# Altium PCB StarKit PCB.PcbDoc (part 2 of 2)
Units mil, origin at the board's own origin, x right, y up, seen from the top; angles counter-clockwise.
Board outline 2755.91 x 2420.08 mil, 4 copper layers (Top Layer, Int1 (GND), Int2 (GND), Bottom Layer), stack 62.449 mil thick; 154 components, 99 nets, 582 pads, 1117 vias.
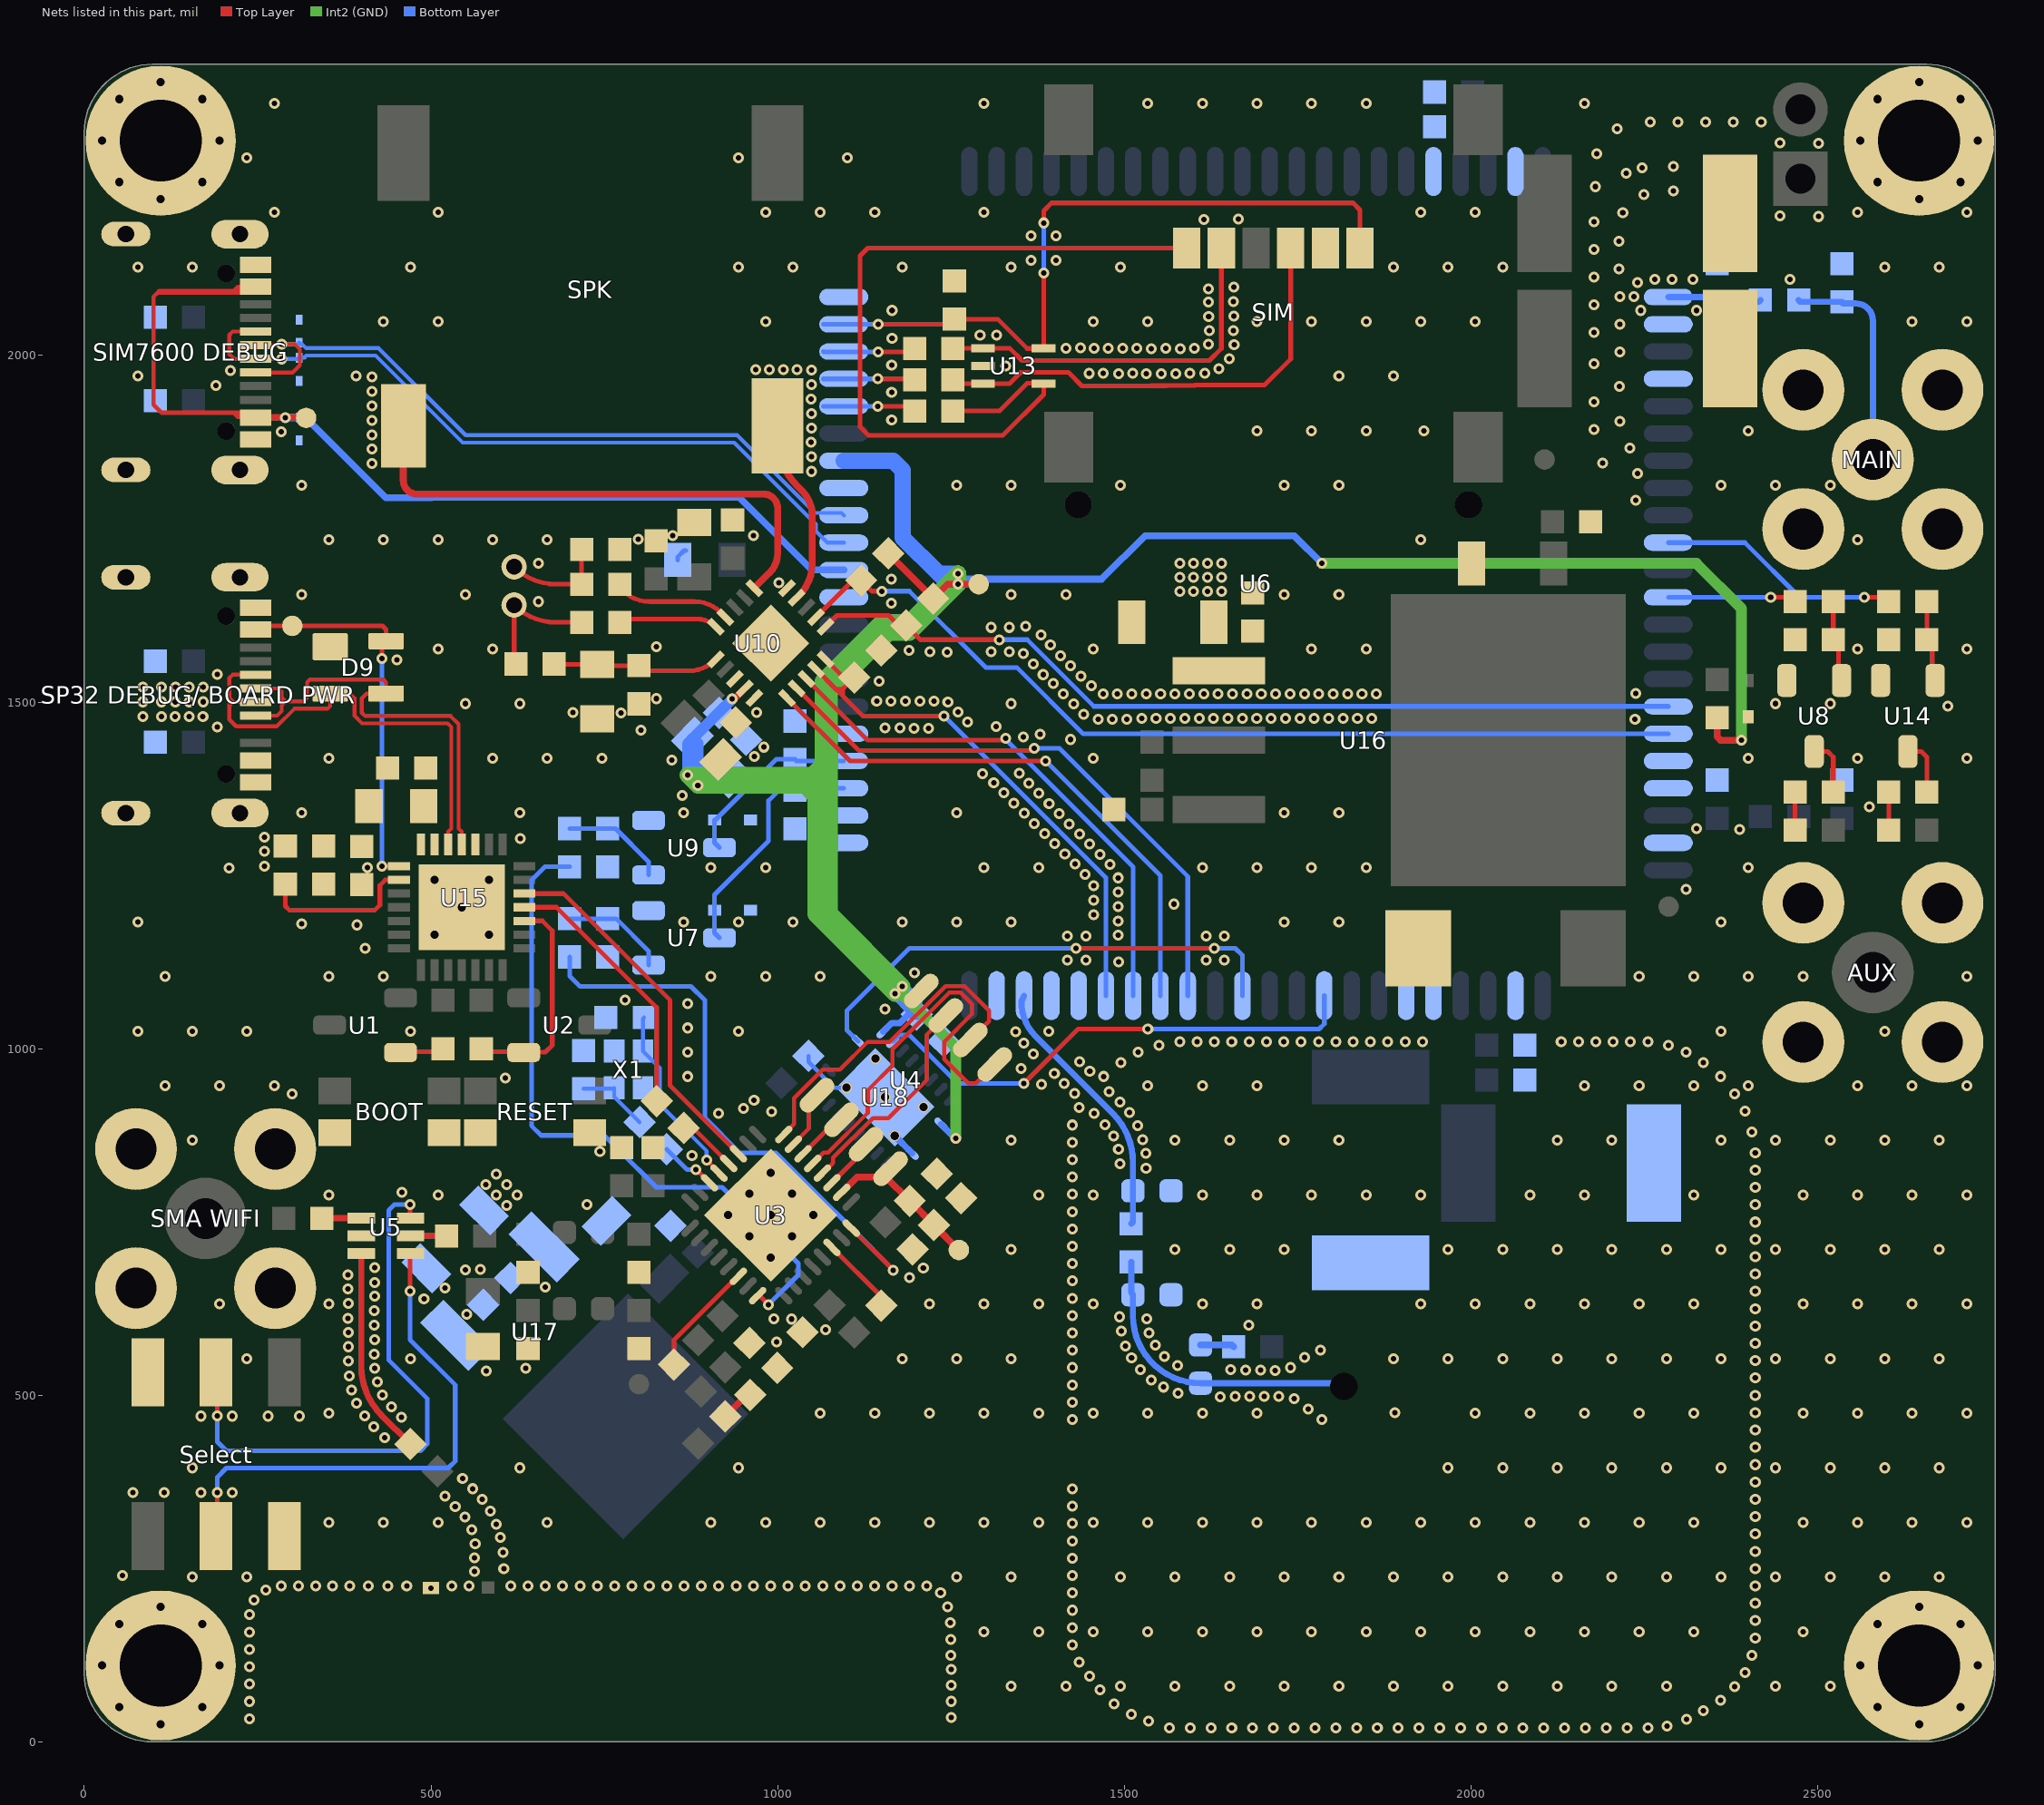
[diagram p4: the nets of this part, all layers, seen from the top]

## Via types
v1: diameter 15.75, hole 7.87, Top Layer to Bottom Layer, tented both sides, 1076 vias
v2: diameter 23.62, hole 11.81, Top Layer to Bottom Layer, 32 vias
v3: diameter 19.68, hole 11.81, Top Layer to Bottom Layer, tented both sides, 9 vias

## Nets (pads, with @x,y where several pads share a name; then routed paths per layer and width w, separated by ;. In a path a pad name is that pad's centre, name@x,y a point inside that pad or via, vN(x,y) a via of type N, cw(c..) or ccw(c..) an arc to the next point about the centre after c; other vN are vias at no path point) (continued)
GND: "ESP32 DEBUG/ BOARD PWR.A1_B12" "ESP32 DEBUG/ BOARD PWR.B1_A12" "ESP32 DEBUG/ BOARD PWR.SH1" "ESP32 DEBUG/ BOARD PWR.SH2" "ESP32 DEBUG/ BOARD PWR.SH3" "ESP32 DEBUG/ BOARD PWR.SH4" "SIM7600 DEBUG.A1_B12" "SIM7600 DEBUG.B1_A12" "SIM7600 DEBUG.SH1" "SIM7600 DEBUG.SH2" "SIM7600 DEBUG.SH3" "SIM7600 DEBUG.SH4" "SMA WIFI.2" "TRACE WIFI.2" AUX.2 BOOT.3 BOOT.4 C1.2 C2.2 C3.2 C4.2 C5.1 C6.2 C7.2 C8.2 C9.2 C10.1 C11.1 C12.2 C16.2 C17.2 C18.2 C19.2 C20.2 C21.2 C22.2 C23.2 C24.2 C25.2 C26.2 C27.2 C28.1 C29.2 C30.2 C31.1 C32.2 C33.2 C34.1 C35.2 C36.1 C37.2 C38.1 C39.2 C40.2 C42.2 C43.2 C44.1 C45.1 C46.1 C47.1 C48.1 C49.2 C50.2 C51.1 C52.1 C53.2 C54.2 C55.1 C56.2 C57.1 C60.2 C61.2 D1.2 D3.2 D4.2 D5.2 D6.2 D8.2 D9.1 D10.1 L4.1 L5.1 MAIN.2 MH1.1 MH2.1 MH3.1 MH4.1 R10.2 R13.2 R14.2 R15.1 R16.1 R27.2 R30.1 R31.1 R34.2 R36.1 RESET.3 RESET.4 Select.3 Select.4 SIM.C5 U3.33 U4.4 U5.2 U6.1 U6.2 U6.5 U6.10 U6.14 U6.37 U6.40 U6.41 U6.43 U6.57 U6.58 U6.60 U6.61 U6.64 U6.65 U6.77 U6.78 U6.80 U6.81 U7.2 U8.2 U9.2 U10.0 U10.3 U10.5 U10.15 U13.2 U14.2 U15.0 U15.3 U17.1 U18.11 U18.21 X1.2 X1.4 | length 134.3
  Bottom Layer w6: C61.2@1044.49,989.49 1044.49,980.76 1081.33,943.92 U18.21@1099.32,943.92
  Bottom Layer w6.68: C34.1@855.63,1705 855.63,1709.25 865.01,1718.62 C34.1@867.52,1718.62
  Bottom Layer w9.45: U18.21@1168.91,874.32 U18.11@1193.98,849.27
  other v1: 1565,20 1595,20 1625,20 1655,20 1685,20 1715,20 1745,20 1775,20 1805,20 1835,20 1865,20 1895,20 1925,20 1955,20 1985,20 2015,20 2045,20 2075,20 2105,20 2135,20 2165,20 2195,20 2225,20 2255,20 2282.7,23.11 1535,30 238.53,33.49 2310.72,32.62 1250.51,35 1510,40 2335,45 1485,55 238.53,58.49 1250.51,58.5 2360,60 1465,75 1336.99,80.48 1415.73,80.48 1494.47,80.48 1573.21,80.48 1651.95,80.48 1730.69,80.48 1809.43,80.48 1888.17,80.48 1966.91,80.48 2045.65,80.48 2124.39,80.48 2203.13,80.48 2281.87,80.48 2380,80 2439.35,80.48 2518.09,80.48 1250.51,81.56 238.53,83.49 1450,95 2395,100 1250.51,104.63 238.53,108.49 1435,115 1250,125 2405,125 238.53,133.49 1425,140 1250,148.06 2410,150 238.53,158.49 1297.62,159.22 1376.36,159.22 1455.1,159.22 1533.84,159.22 1612.58,159.22 1691.32,159.22 1770.06,159.22 1848.8,159.22 1927.54,159.22 2006.28,159.22 2085.02,159.22 2163.76,159.22 2242.5,159.22 2321.24,159.22 2478.72,159.22 1425,165 1248.94,171.77 2410,175 238.53,183.49 1425,190 1245,195 2410,200 245,205 1235,215 1425,215 261.9,218.92 499.92,222.04 284.29,225 308.96,225 333.64,225 358.32,225 383,225 410,225 438,225 465,225 530,225 555,225 615,225 640,225 665,225 690,225 715,225 740,225 765,225 790,225 815,225 840,225 865,225 890,225 915,225 940,225 965,225 990,225 1015,225 1040,225 1065,225 1090,225 1115,225 1140,225 1165,225 1190,225 1215,225 2410,225 155.88,237.96 234.62,237.96 1258.24,237.96 1336.99,237.96 1494.47,237.96 1573.21,237.96 1651.95,237.96 1730.69,237.96 1809.43,237.96 1888.17,237.96 1966.91,237.96 2045.65,237.96 2124.39,237.96 2203.13,237.96 2281.87,237.96 2360.61,237.96 2439.35,237.96 2518.09,237.96 2596.83,237.96 2675.57,237.96 55,240 1425,240 562.97,245.71 605,250 2410,250 1425,265 562.59,265.54 604.15,273.54 2410,275 563.76,285.85 1425,290 600,295 2410,300 558.94,306.03 594.16,313.82 1425,315 352.73,316.7 431.47,316.7 510.21,316.7 667.69,316.7 903.91,316.7 982.65,316.7 1061.39,316.7 1140.13,316.7 1218.87,316.7 1297.62,316.7 1376.36,316.7 1455.1,316.7 1533.84,316.7 1612.58,316.7 1691.32,316.7 1770.06,316.7 1848.8,316.7 1927.54,316.7 2006.28,316.7 2085.02,316.7 2163.76,316.7 2242.5,316.7 2321.24,316.7 2478.72,316.7 2557.46,316.7 2636.2,316.7 2714.94,316.7 548.91,324.2 2410,325 585.7,332.77 534.98,339.57 1425,340 574.09,349.96 2410,350 520.31,354.24 70,360 115,360 168.43,360 213.43,360 560.14,365.32 1425,365 2410,375 545.47,379.99 155.88,395.44 628.32,395.44 943.28,395.44 1966.91,395.44 2045.65,395.44 2124.39,395.44 2203.13,395.44 2281.87,395.44 2360.61,395.44 2439.35,395.44 2518.09,395.44 2596.83,395.44 2675.57,395.44 2410,400 2410,425 433.03,438.83 2410,450 417.81,454.68 1425,465 1785,465 457.73,468.5 168.43,470 213.43,470 265,470 310,470 404.6,470.06 352.73,474.18 1061.39,474.18 1140.13,474.18 1218.87,474.18 1297.62,474.18 1376.36,474.18 1455.1,474.18 1533.84,474.18 1612.58,474.18 1691.32,474.18 2006.28,474.18 2085.02,474.18 2163.76,474.18 2242.5,474.18 2321.24,474.18 2478.72,474.18 2557.46,474.18 2636.2,474.18 2714.94,474.18 1890,475 2410,475 1765,480 443.13,483.42 392.95,488.39 1425,490 1745,495 1638.06,497.97 1680.82,498.36 1659.64,498.75 1701.62,498.75 1722.6,498.75 430.24,500.19 2410,500 1577.37,503.15 385.5,507.65 1556.31,511.9 1425,515 422.93,519.46 1538.64,522.07 2410,525 381.92,528 580,535 1675.14,536.41 1696.32,536.41 1717.7,536.02 1522.93,536.89 1653.36,536.81 419.05,539.18 636.72,538.94 1425,540 1740,540 1577.01,543.14 380.84,549.44 2410,550 234.62,552.92 470.84,552.92 1179.5,552.92 1258.24,552.92 1336.99,552.92 1888.17,552.92 1966.91,552.92 2045.65,552.92 2124.39,552.92 2203.13,552.92 2281.87,552.92 2360.61,552.92 2439.35,552.92 2518.09,552.92 2596.83,552.92 2675.57,552.92 1510.44,553.85 1760,555 1557.92,555.99 418.27,559.38 1425,565 1783.05,565.48 380.84,570.1 1501.51,571.16 1545.06,572.41 2410,575 998.74,576.82 418.74,580.35 1425,590 1535.6,590.26 380.68,590.76 1495.62,592.4 1069.25,594.55 2410,600 418.43,601.17 1679.78,601.23 1020,610 1532.21,610.25 380.53,611.11 994.31,610.57 1493.3,613.29 1425,615 551.94,616.98 418.43,621.98 2410,625 195.25,631.66 352.73,631.66 1218.87,631.66 1297.62,631.66 1376.36,631.66 1455.1,631.66 1612.58,631.66 1691.32,631.66 1927.54,631.66 2006.28,631.66 2085.02,631.66 2163.76,631.66 2242.5,631.66 2321.24,631.66 2478.72,631.66 2557.46,631.66 2636.2,631.66 2714.94,631.66 380.99,632.7 489.86,639.22 1425,640 418.74,642.95 2410,650 380.53,653.36 520,655 665,656.37 419.05,662.68 1425,665 1190,670 380.21,674.02 2410,675 549.88,681.24 571.11,681.92 418.9,683.97 1210.14,683.9 1425,690 2410,700 1336.99,710.4 1573.21,710.4 1651.95,710.4 1730.69,710.4 1966.91,710.4 2045.65,710.4 2124.39,710.4 2203.13,710.4 2281.87,710.4 2360.61,710.4 2439.35,710.4 2518.09,710.4 2596.83,710.4 2675.57,710.4 1425,715 2410,725 1425,740 2410,750 1425,765 725,775 2410,775 352.73,789.14 510.21,789.14 1376.36,789.14 1455.1,789.14 1612.58,789.14 1691.32,789.14 1770.06,789.14 1848.8,789.14 1927.54,789.14 2085.02,789.14 2163.76,789.14 2321.24,789.14 2478.72,789.14 2557.46,789.14 2636.2,789.14 2714.94,789.14 1425,790 458.11,792.76 2410,800 1425,815 2410,825 1531.37,827.63 1493.71,833.88 1425,840 876.48,845.82 1531.08,849.06 2410,850 743.69,851.86 1491.48,854.87 1425,865 155.88,867.88 1336.99,867.88 1573.21,867.88 1651.95,867.88 1730.69,867.88 1809.43,867.88 2124.39,867.88 2203.13,867.88 2360.61,867.88 2439.35,867.88 2518.09,867.88 2596.83,867.88 2675.57,867.88 1526.31,869.01 1484.34,874.07 2405,880 1519.02,888.95 1425,890 1472.43,890.59 914.86,906.72 1456.73,906.72 1507.71,907.71 991.45,909.08 2395,910 950.97,914.15 1435,915 1493.86,923.04 966.1,925.66 300,935 1428.52,935.25 2380,935 1478.23,937.92 116.51,946.62 195.25,946.62 273.99,946.62 1533.84,946.62 1612.58,946.62 1691.32,946.62 2163.76,946.62 2242.5,946.62 2321.24,946.62 2399.98,946.62 2557.46,946.62 2636.2,946.62 2714.94,946.62 1380.37,948.7 1413.33,950.13 607.51,957.73 870,960 1470,960 2360,960 1399.19,964.12 1450.25,967.4 1351.17,971.27 1495,980 2335,980 1435.66,981.39 1368.53,992.26 870,995 1520,995 2310,995 1550,1005 2285,1005 1355.28,1008.18 1580,1010 1605,1010 1630,1010 1655,1010 1680,1010 1705,1010 1730,1010 1755,1010 1780,1010 1805,1010 1830,1010 1855,1010 1880,1010 1905,1010 1930,1010 2130,1010 2155,1010 2180,1010 2205,1010 2230,1010 2255,1010 77.14,1025.36 155.88,1025.36 234.62,1025.36 470.84,1025.36 943.28,1025.36 1343.52,1024.71 1391.16,1025 2360.61,1025.36 2596.83,1025.36 870,1030 1154.7,1057.07 870,1065 780,1070 116.51,1104.1 352.73,1104.1 431.47,1104.1 903.91,1104.1 982.65,1104.1 1061.39,1104.1 2242.5,1104.1 2321.24,1104.1 2399.98,1104.1 2478.72,1104.1 2714.94,1104.1 1197.44,1109.46 1491.51,1125.09 1417.84,1127.6 1444.4,1127.6 1617.84,1127.6 1644.4,1127.6 405,1145 1417.84,1162.72 1444.4,1162.72 1617.84,1162.72 1644.4,1162.72 1491.05,1163.56 393.44,1178.52 313.64,1180.4 77.14,1182.84 864.54,1182.84 943.28,1182.84 1022.02,1182.84 1179.5,1182.84 1258.24,1182.84 1336.99,1182.84 1730.69,1182.84 1809.43,1182.84 2360.61,1182.84 1491.05,1184.3 1455.66,1193.43 1491.05,1205.05 1571.5,1208.61 1455.66,1214.18 1491.05,1225.8 2310,1230 1455.66,1234.93 1490.96,1246.55 1443.6,1251.7 208.96,1260.72 408.67,1261.05 903.91,1261.58 982.65,1261.58 1297.62,1261.58 1376.36,1261.58 1612.58,1261.58 1691.32,1261.58 1770.06,1261.58 1848.8,1261.58 2399.98,1261.58 260,1263.47 1428.93,1266.37 1479.4,1265.71 1464.73,1280.39 1414.26,1281.04 1450.06,1295.06 1399.59,1295.71 629.11,1302.92 1384.92,1310.38 1435.39,1309.73 2387.18,1316.15 2325.17,1317.47 1420.72,1324.4 1370.25,1325.05 1406.05,1339.07 313.36,1340.32 628.32,1340.32 864.54,1340.32 1258.24,1340.32 1355.58,1339.72 1730.69,1340.32 1809.43,1340.32 2574.59,1349.22 1340.9,1354.39 1391.38,1353.74 862.46,1365.35 1376.71,1368.41 1326.23,1369.07 1362.03,1383.08 1311.56,1383.74 1295.3,1396.51 1348.63,1397.59 847.61,1416.15 352.73,1419.06 588.95,1419.06 667.69,1419.06 746.43,1419.06 1455.1,1419.06 2399.98,1419.06 2557.46,1419.06 2714.94,1419.06 966.26,1421.52 980,1435 1422.31,1446.1 1354.1,1449.97 1378.66,1453.39 802.72,1459.27 1196.98,1462.19 1217.73,1462.19 1154.86,1462.57 1176.41,1462.57 191.77,1464.24 1315,1465 1274.01,1471.11 1462.18,1475.31 1482.93,1475.31 1503.67,1475.31 1525.01,1476.37 1545.76,1476.37 1566.51,1476.37 1587.26,1476.37 1608,1476.37 1628.75,1476.37 1649.5,1476.37 1670.25,1476.37 1691,1476.37 1711.74,1476.37 1732.49,1476.37 1753.24,1476.37 1773.99,1476.37 1794.74,1476.37 1815.48,1476.37 1836.23,1476.37 1856.98,1476.37 2236.6,1475.5 84.6,1479.18 1441.57,1482.63 773.87,1484.23 705,1485 970,1485 1260.25,1485.74 2687.46,1494.31 1426.9,1497.31 549.58,1497.8 628.32,1497.8 1336.99,1497.8 2439.35,1497.8 2518.09,1497.8 84.7,1500.42 1245.49,1500.32 1142.78,1501.57 1163.53,1501.57 1184.27,1501.57 1205.02,1501.57 1225.77,1501.57 825,1505 1412.23,1511.98 1469.32,1511.83 1490.07,1511.83 1510.81,1511.83 1531.56,1511.83 1552.31,1511.83 1573.06,1511.83 1593.81,1511.83 1614.55,1511.83 1635.3,1511.83 1656.05,1511.83 1676.8,1511.83 1697.55,1511.83 1718.29,1511.83 1739.04,1511.83 1759.79,1511.83 1780.54,1511.83 1801.29,1511.83 1822.03,1511.83 1842.78,1511.83 1863.53,1511.83 2237.34,1512.39 84.8,1521.66 1452.29,1523.67 1397.56,1526.65 1146.21,1530.36 1437.78,1537.48 191.77,1540.23 1382.88,1539.66 1422.74,1552.29 1368.93,1555.03 451.1,1561.15 1408,1566.56 1354.26,1570.04 1219.72,1572.46 1244.28,1571.81 1307.84,1572.6 1334.4,1572.6 1189.41,1574.5 510.21,1576.54 588.95,1576.54 1455.1,1576.54 1770.06,1576.54 1848.8,1576.54 2557.46,1576.54 2714.94,1576.54 825,1580 1393.34,1582.31 1379.88,1597.07 1307.84,1607.72 1334.4,1607.72 1357.97,1609.08 1164.04,1642.65 655,1645 313.36,1655.28 549.58,1655.28 1336.99,1655.28 1415.73,1655.28 1730.69,1655.28 1809.43,1655.28 1002.07,1672.4 1164.04,1677.35 655,1700.12 352.73,1734.02 431.47,1734.02 510.21,1734.02 588.95,1734.02 667.69,1734.02 1927.54,1734.02 2557.46,1734.02 798.89,1734.71 848.62,1740 965,1740 2237.48,1791.48 313.36,1812.76 1258.24,1812.76 1336.99,1812.76 1494.47,1812.76 1730.69,1812.76 1809.43,1812.76 2360.61,1812.76 2439.35,1812.76 2518.09,1812.76 2240,1830 1048.82,1832.76 415,1844.01 2189.83,1844.84 1048.58,1853.86 415,1864.84 2229.3,1866.22 1048.47,1874.69 415,1885.67 284.23,1889.79 1932.17,1891.39 1691.32,1891.5 1770.06,1891.5 1848.8,1891.5 2399.98,1891.5 2177.35,1893.16 1048.72,1895.53 2215,1905 415,1906.5 1164.37,1906.89 1048.6,1916.36 415,1927.33 2177.35,1933.16 1048.48,1937.19 1164.37,1946.89 415,1948.16 2214.22,1955.29 190,1956.69 1048.73,1958.02 415,1969 77.14,1970.24 392.1,1970.24 1809.43,1970.24 1888.17,1970.24 1449.34,1974.09 1469.71,1974.23 1491.51,1973.66 1512.01,1974.23 1531.95,1973.51 1553.03,1973.66 1574.26,1973.8 1594.48,1974.23 1615.85,1974.52 210.84,1978.19 1048.98,1978.86 968.14,1979.5 988.14,1979.5 1008.14,1979.5 1028.14,1979.5 1636.36,1980.68 1328.6,1984.97 1164.37,1986.26 2177.63,1987.88 1651.7,1995.17 2215,2005 1415.96,2010.28 1456.55,2010.41 1476.96,2010.08 1518.07,2010.45 1539.08,2009.9 1559.54,2010.08 1580.55,2009.9 1437.02,2010.92 1497.42,2010.64 1601.2,2010.64 1658.3,2015.39 1621.29,2016.54 1165,2025 1291.93,2029.4 1315.6,2029.3 2177.35,2033.16 1622.58,2036.07 1657.44,2036.19 2215,2045 431.47,2048.98 510.21,2048.98 982.65,2048.98 1455.1,2048.98 1533.84,2048.98 1691.32,2048.98 1770.06,2048.98 1848.8,2048.98 1927.54,2048.98 2006.28,2048.98 2636.2,2048.98 2714.94,2048.98 1621.66,2055.98 1657.87,2057.13 1165,2065 2245,2065 2325,2065 2177.35,2073.16 1621.1,2076.81 1657.58,2077.78 2215,2085 2235,2085 1621.29,2096.35 1658.16,2098.61 2240,2105 2265,2110 2290,2110 2320,2110 2460,2110 2177.35,2113.16 2213.51,2124.74 77.14,2127.72 155.88,2127.72 470.84,2127.72 943.28,2127.72 1022.02,2127.72 1179.5,2127.72 1336.99,2127.72 1494.47,2127.72 1888.17,2127.72 1966.91,2127.72 2045.65,2127.72 2596.83,2127.72 2675.57,2127.72 1365.8,2137.49 1401.7,2137.49 2177.35,2153.16 2213.51,2164.74 1365.8,2172.51 1401.7,2172.51 2177.35,2193.16 1614.9,2196.39 1664.71,2196.65 2501.48,2200.45 2445.57,2201.15 273.99,2206.46 510.21,2206.46 982.65,2206.46 1061.39,2206.46 1140.13,2206.46 1297.62,2206.46 1927.54,2206.46 2006.28,2206.46 2218.95,2206.16 2557.46,2206.46 2714.94,2206.46 2249.08,2232.3 2291.86,2237.17 2179.57,2243.6 2223.69,2263.02 2246.59,2270.77 2291.86,2272.83 234.62,2285.2 943.28,2285.2 1100.76,2285.2 2181.27,2291.22 2501.48,2306.31 2445.57,2307.02 2210.75,2327.04 2258.5,2336.78 2298.5,2336.78 2338.5,2336.78 2378.5,2336.78 2418.5,2336.78 273.99,2363.94 1297.62,2363.94 1533.84,2363.94 1612.58,2363.94 1691.32,2363.94 1770.06,2363.94 1848.8,2363.94 2163.76,2363.94
  other v2: 110.24,25.59 2646.21,25.59 50.39,50.38 170.09,50.38 2586.36,50.38 2706.06,50.38 25.59,110.24 194.88,110.24 2561.56,110.24 2730.85,110.24 50.39,170.09 170.09,170.09 2586.36,170.09 2706.06,170.09 110.24,194.88 2646.21,194.88 110.24,2225.35 2646.21,2225.35 50.39,2250.14 170.09,2250.14 2586.36,2250.14 2706.06,2250.14 25.59,2310 194.88,2310 2561.56,2310 2730.85,2310 50.39,2369.86 170.09,2369.86 2586.36,2369.86 2706.06,2369.86 110.24,2394.65 2646.21,2394.65
  other v3: 990,698.75 959.38,729.38 1020.62,729.38 928.75,760 990,760 1051.25,760 959.38,790.62 1020.62,790.62 990,821.25
GNSS_ANT: C41.1 L4.2 U6.79 | length 390
  Bottom Layer w9.01: U6.79@1355.35,1076.5 1351.61,1067.52 ccw(c1421.22,1067.22) 1372,1018 1483.15,906.85 cw(c1412.44,836.13) 1512.44,836.13 L4.2@1512.44,795 1512.44,750 C41.1@1510,747.56
GNSS_FEED: C41.2 GNSS.1 L3.1 L5.2 | length 440.5
  Bottom Layer w9.01: C41.2@1510,692.44 1510,650.9 ccw(c1518.34,650.9) L5.2@1512.44,645 1512.44,614.99 ccw(c1610,614.99) L3.1@1610,517.44 1812.09,517.44 cw(c1812.09,512.95) GNSS.1@1816.57,512.95
GNSS_PWR: L3.2 R25.1 | length 48.5
  Bottom Layer w10: L3.2@1610,572.56 1654.88,572.56 R25.1@1657.44,570
GPIO2: R3.1 U3.6 | length 165.9
  Top Layer w6.68: R3.1@850.51,544.49 850.51,579.94 U3.6@942.78,672.21
GPIO8: R2.1 U3.14 | length 126.1
  Top Layer w6.68: U3.14@1078.39,713.37 1149.49,642.27 R2.1@1149.49,629.49
  Top Layer w9.84: R2.1@1149.49,629.49 R2.1@1149.49,642.27
GSM_PWR: C29.1 D1.1 U6.3 U7.3 | length 349.1
  Bottom Layer w6.68: U7.3@916.18,1160 909.02,1167.17 D1.1@909.02,1200 909.02,1221.96 986.96,1299.91 986.96,1357.93 1001.59,1372.56 C29.1@1025,1372.56 1028.15,1375.71 U6.3@1095.51,1375.71
GSM_RES: C32.1 D3.1 U6.4 U9.3 | length 266.7
  Bottom Layer w6.68: U9.3@916.18,1290 909.02,1297.17 D3.1@909.02,1330 910.31,1330 997.75,1417.44 C32.1@1025,1417.44 1027.36,1415.08 U6.4@1095.51,1415.08
GSM_RX: U6.68 U18.3 | length 731.4
  Top Layer w6.68: v1(1355,950) 1433.36,1028.36 v1(1533.96,1028.36)
  Bottom Layer w6.68: U18.3@1166.14,1010.73 1175.41,1020 1190,1020 1260,950 v1(1355,950) ; v1(1533.96,1028.36) 1781.03,1028.36 1788.43,1035.76 U6.68@1788.43,1076.5
GSM_TX: U6.71 U18.1 | length 721
  Top Layer w6.68: v1(1430,1145) v1(1630,1145)
  Bottom Layer w6.68: U18.1@1116.03,1010.73 1100,1026.76 1100,1055 1190,1145 v1(1430,1145) ; v1(1630,1145) 1660,1145 1670.32,1134.68 U6.71@1670.32,1076.5
GSMRES_1: R12.1 U3.8 | length 982.4
  Top Layer w6.68: U3.8@971.21,643.77 973.94,643.77 v1(986.84,630.87)
  Bottom Layer w6.68: R12.1@700,1262.44 664.41,1262.44 645,1243.04 645,888.84 658.84,875 750,875 770,855 825,800 920,800 1029.75,690.25 1029.75,673.77 v1(986.84,630.87)
GSMRES_2: R12.2 R14.1 U9.1 | length 152.8
  Bottom Layer w6.68: R12.2@700,1317.56 R14.1@755,1317.56 766.16,1317.56 813.82,1269.9 U9.1@813.82,1250.63
MAIN_ANT: C39.1 R24.1 U6.82 | length 135.9
  Bottom Layer w9.01: U6.82@2284.49,2084.37 2338.27,2084.37 cw(c2338.27,2060.71) C39.1@2355,2077.44 2414.88,2077.44 R24.1@2417.44,2080
MAIN_FEED: C40.1 MAIN.1 R24.2 | length 323.9
  Bottom Layer w9.01: R24.2@2472.56,2080 2475.12,2077.44 C40.1@2535,2077.44 ccw(c2537.44,2077.44) 2537.44,2075 2555,2075 cw(c2555,2050.39) 2579.61,2050.39 MAIN.1@2579.61,1850
MIC+: C58.2 U10.20 | length 142.5
  Top Layer w6.68: C58.2@772.56,1615 cw(c784.63,1602.93) 784.63,1620 883.29,1620 cw(c883.29,1581.29) U10.20@910.66,1608.66
MIC-: C59.2 U10.19 | length 169.2
  Top Layer w6.68: C59.2@772.56,1670 776.2,1661.22 ccw(c815.35,1700.37) 815.35,1645 880,1645 cw(c880,1591.5) 917.83,1629.33 U10.19@924.58,1622.58
MICBIAS: C56.1 C57.2 R35.2 U10.1 | length 240.1
  Top Layer w6.68: R35.2@677.56,1555 ccw(c679.08,1556.52) 679.08,1554.37 C57.2@740,1554.37 ccw(c744.37,1558.74) 744.37,1552.56 C56.1@800,1552.56 ccw(c818.25,1570.81) 818.25,1545 871.22,1545 ccw(c871.22,1600.78) U10.1@910.66,1561.34
MICOUT+: C58.1 MIC.1 R35.1 | length 189.8
  Top Layer w6.68: R35.1@622.44,1555 cw(c628.33,1560.89) 620,1560.89 MIC.1@620,1640 ccw(c680.36,1700.36) 680.36,1615 C58.1@717.44,1615
MICOUT-: C59.1 MIC.2 R36.2 | length 154.2
  Top Layer w6.68: MIC.2@620,1695.12 ccw(c680.64,1755.76) 680.64,1670 C59.1@717.44,1670 R36.2@717.44,1720
N1: D2.1 R9.2 | length 55
  Top Layer w6.68: D2.1@2467.44,1315 R9.2@2467.44,1370
N2: R9.1 U8.3 | length 81.5
  Top Layer w6.68: U8.3@2495,1428.82 2514.29,1428.82 2522.56,1420.55 R9.1@2522.56,1370
NET: R11.1 U6.51 | length 185.6
  Top Layer w6.68: v1(2432.24,1651.3) 2461.14,1651.3 R11.1@2467.44,1645
  Bottom Layer w6.68: U6.51@2284.49,1651.3 v1(2432.24,1651.3)
NET_G: R11.2 R13.1 U8.1 | length 118.7
  Top Layer w6.68: R11.2@2522.56,1645 R13.1@2522.56,1590 2530.07,1582.49 2530.07,1535.48 U8.1@2534.37,1531.18
NetSPK_1: SPK.1 U10.16 | length 769.4
  Top Layer w10: SPK.1@460.31,1898.46 460,1898.46 460,1820 ccw(c480,1820) 480,1800 980,1800 cw(c980,1780) 1000,1780 1000,1715 cw(c958.97,1715) 987.98,1685.99 U10.16@966.34,1664.34
NetSPK_2: SPK.2 U10.14 | length 268.9
  Top Layer w10: SPK.2@999.68,1898.46 999.68,1881.74 ccw(c1099.68,1881.74) 1028.97,1811.03 1035,1805 cw(c998.79,1768.79) 1050,1768.79 1050,1700 cw(c984.43,1700) 1030.79,1653.63 U10.14@1027.58,1650.42
P_ON: D10.2 R32.1 | length 48.9
  Top Layer w10: R32.1@924.49,469.49 955.51,500.51 D10.2@960.51,500.51
PCM_CLK: C37.1 U6.76 U10.9 U10.10 | length 825.5
  Top Layer w6.68: U10.9@1055.42,1547.42 1084.29,1518.55 ; U10.10@1069.34,1561.34 C37.1@1102.84,1527.84 ; 1093.56,1518.81 1093.29,1518.55 1084.29,1518.55 ; 1093.69,1509.41 1093.69,1518.41 ; v1(1240,1480) 1122.84,1480 1087.84,1515 ; 1084.29,1518.55 1087.84,1515 ; 1087.84,1515 1090,1515 C37.1@1102.84,1527.84 ; C37.1@1102.84,1527.84 1105.34,1525.34 1110.51,1530.51 C37.1@1110.51,1535.51 C37.1@1102.84,1527.84
  Bottom Layer w6.68: v1(1240,1480) 1473.46,1246.54 U6.76@1473.46,1076.5
PCM_IN: U6.74 U10.6 | length 817.9
  Top Layer w6.68: U10.6@1013.66,1505.66 1104.32,1415 1386.33,1415 v1(1386.57,1415.24)
  Bottom Layer w6.68: v1(1386.57,1415.24) 1552.2,1249.6 U6.74@1552.2,1076.5
PCM_OUT: U6.73 U10.7 | length 853.4
  Top Layer w6.68: U10.7@1027.58,1519.58 1117.16,1430 1370.35,1430 1370.35,1433.38 v1(1370.22,1433.51)
  Bottom Layer w6.68: v1(1370.22,1433.51) 1370.26,1433.46 1406.54,1433.46 1591.57,1248.43 U6.73@1591.57,1076.5
PCM_SYNC: U6.75 U10.8 | length 773.7
  Top Layer w6.68: U10.8@1041.5,1533.5 1130.09,1444.91 1327.26,1444.91 1328.99,1446.64 v1(1328.99,1447.9)
  Bottom Layer w6.68: v1(1328.99,1447.9) 1328.99,1446.01 1512.83,1262.17 U6.75@1512.83,1076.5
PWRKEY_1: R8.1 U3.16 | length 856.1
  Top Layer w6.68: U3.16@1106.23,741.21 1166.56,680.87 v1(1166.56,680.11)
  Bottom Layer w6.68: R8.1@700,1132.44 700,1105 715,1090 875,1090 895,1070 895,900 945,850 997.44,850 1166.56,680.87 v1(1166.56,680.11)
PWRKEY_2: R8.2 R10.1 U7.1 | length 153.4
  Bottom Layer w6.68: R8.2@700,1187.56 R10.1@755,1187.56 757.56,1187.56 767.17,1187.56 813.82,1140.91 U7.1@813.82,1120.63
RF_J2: C15.1 U5.3 | length 300
  Top Layer w9.01: U5.3@399.57,704.41 399.57,541.85 ccw(c499.57,541.85) 428.86,471.14 C15.1@470.51,429.49
RF_J3: C13.1 U5.1 | length 55.6
  Top Layer w9.01: C13.1@343.98,755.59 U5.1@399.57,755.59
RF_SW: C14.2 U5.5 | length 52
  Top Layer w9.01: U5.5@470.43,730 C14.2@522.44,730
RF_SW_V1: Select.5 U5.4 | length 765
  Top Layer w6.68: Select.5@190,296.89 191.75,298.64 v1(191.75,359.56) ; v1(470,650) 470,703.98 U5.4@470.43,704.41
  Bottom Layer w6.68: v1(191.75,359.56) 191.75,381.75 205,395 525,395 535,405 535,515 470,580 v1(470,650)
RF_SW_V2: Select.2 U5.6 | length 827.6
  Top Layer w6.68: Select.2@190,533.11 191.75,531.36 v1(191.75,470.44) ; v1(470,775) 470,756.02 U5.6@470.43,755.59
  Bottom Layer w6.68: v1(191.75,470.44) 191.75,433.15 204.9,420 485,420 495,430 495,495 438.93,551.07 438.93,766.84 447.08,775 v1(470,775)
RTS: R4.2 U2.2 U15.24 | length 319.6
  Top Layer w6.68: R4.2@572.56,1000 576.93,995.63 633.82,995.63 634.45,995 665,995 675,1005 675,1170 660.63,1184.37 U15.24@635,1184.37
RTS_B: R4.1 U1.1 | length 63.1
  Top Layer w6.68: U1.1@456.18,995.63 513.07,995.63 R4.1@517.44,1000
S1: D7.1 R23.2 | length 55
  Top Layer w6.68: D7.1@2602.44,1315 R23.2@2602.44,1370
S2: R23.1 U14.3 | length 81.5
  Top Layer w6.68: U14.3@2630,1428.82 2649.29,1428.82 2657.56,1420.55 R23.1@2657.56,1370
SCL: R17.1 U6.55 U10.11 | length 1276.3
  Top Layer w6.68: U10.11@1069.34,1608.66 1085.68,1625 1160,1625 1170,1615 1181.03,1615 R17.1@1185.51,1610.51 1206.03,1590 v1(1320,1590)
  Bottom Layer w6.68: v1(1320,1590) 1360,1590 1456.18,1493.82 U6.55@2284.49,1493.82
SDA: R18.1 U6.56 U10.12 | length 1342.6
  Top Layer w6.68: U10.12@1055.42,1622.58 1108.35,1675.51 R18.1@1120.51,1675.51 1136.03,1660 v1(1150,1660)
  Bottom Layer w6.68: v1(1150,1660) 1190,1660 1300,1550 1345,1550 1440.55,1454.45 U6.56@2284.49,1454.45
SIM_CLK: R20.2 U6.19 | length 133.7
  Top Layer w6.68: v1(1145,2005) 1192.44,2005 R20.2@1197.44,2010
  Bottom Layer w6.68: U6.19@1066.02,2005.63 1066.65,2005 v1(1145,2005)
SIM_CLK_IN: R20.1 SIM.C3 U13.1 | length 547.4
  Top Layer w6.68: R20.1@1252.56,2010 1253.15,2010.59 U13.1@1296.25,2010.59 1334.41,2010.59 1352.43,1992.57 1622.57,1992.57 1640,2010 SIM.C3@1640,2155
SIM_DATA: R22.2 U6.17 | length 134.3
  Top Layer w6.68: v1(1144.37,1926.89) 1190.55,1926.89 R22.2@1197.44,1920
  Bottom Layer w6.68: U6.17@1066.02,1926.89 U6.17@1095.51,1926.89 v1(1144.37,1926.89)
SIM_DATA_IN: R22.1 SIM.C7 U13.4 | length 1180.6
  Top Layer w6.68: R22.1@1252.56,1920 1320,1920 1360,1960 1383.16,1960 U13.4@1383.75,1959.41 1383.75,1943.75 1325,1885 1130.75,1885 1118.9,1896.85 1118.9,2144 1129.9,2155 SIM.C7@1590,2155
SIM_RST: R19.2 U6.18 | length 131.9
  Top Layer w6.68: v1(1144.37,1966.26) 1196.18,1966.26 R19.2@1197.44,1965
  Bottom Layer w6.68: U6.18@1066.02,1966.26 U6.18@1095.51,1966.26 v1(1144.37,1966.26)
SIM_RST_IN: R19.1 SIM.C2 U13.3 | length 680.6
  Top Layer w6.68: R19.1@1252.56,1965 1258.15,1959.41 U13.3@1296.25,1959.41 1334.41,1959.41 1350.64,1975.64 1419.36,1975.64 1438.76,1956.24 1539.11,1956.24 1539.25,1956.38 1560.19,1956.38 1560.33,1956.52 1581.41,1956.52 1581.84,1956.95 1601.64,1956.95 1601.92,1957.24 1702.24,1957.24 1740,1995 SIM.C2@1740,2155
SIM_VCC: C38.2 SIM.C1 U6.20 U13.5 | length 1058.6
  Top Layer w6.68: v1(1145,2045) 1247.56,2045 C38.2@1255,2052.44 1317.56,2052.44 1360,2010 1383.16,2010 U13.5@1383.75,2010.59 v1(1383.75,2118.75) ; v1@1385,2192.5 v1(1383.75,2191.25) 1383.75,2208.75 1395,2220 1830,2220 1840,2210 SIM.C1@1840,2155
  Bottom Layer w6.68: U6.20@1066.02,2045 U6.20@1095.51,2045 v1(1145,2045) ; v1(1383.75,2118.75) v1(1383.75,2191.25)
SPICLK: U3.22 U4.6 | length 75.9
  Top Layer w6.68: U3.22@1036.63,848.39 1085.75,897.51 U4.6@1092.16,897.51
SPICS0: U3.21 U4.1 | length 566.3
  Top Layer w6: U3.21@1050.55,834.47 1066.08,850 1072.66,850 1130,907.34 1130,940 1165.67,975.67 1165.67,999.04 1247.13,1080.5 1247.5,1080.88 1263.92,1080.88 1264.29,1080.5 1280,1064.79 1280,1049.91 1240,1009.91 1240,985 1275,950 1286.07,950 U4.1@1313.2,977.13
SPID: U3.23 U4.5 | length 84.7
  Top Layer w6: U3.23@1022.71,862.31 1045,884.6 1045,921.07 U4.5@1056.8,932.87
SPIHD: U3.19 U4.7 | length 75.9
  Top Layer w6.68: U3.19@1078.39,806.63 1127.51,855.75 U4.7@1127.51,862.16
SPIQ: U3.24 U4.2 | length 475.3
  Top Layer w6: U3.24@1008.79,876.23 1023.77,891.2 1023.77,928.77 1065,970 1090,970 1130,1010 1161.95,1010 1241.95,1090 1243.19,1090 1243.57,1090.38 1269.62,1090.38 1305,1055 1305,1039.64 U4.2@1277.84,1012.49
SPIWP: U3.20 U4.3 | length 314.9
  Top Layer w6: U3.20@1064.47,820.55 1065.55,820.55 1080,835 1080,842.66 1137.34,900 1160,900 1215,955 1215,1020.36 U4.3@1242.49,1047.84
STAT: R26.1 U6.49 | length 353.2
  Top Layer w6.68: v1(2567.24,1651.3) 2596.14,1651.3 R26.1@2602.44,1645
  Bottom Layer w6.68: U6.49@2284.49,1730.04 2394.96,1730.04 2473.7,1651.3 v1(2567.24,1651.3)
STAT_G: R26.2 R27.1 U14.1 | length 118.7
  Top Layer w6.68: R26.2@2657.56,1645 R27.1@2657.56,1590 R27.1@2669.37,1578.19 ; U14.1@2665.07,1535.48 R27.1@2665.07,1582.49
U0TXD: R7.1 U3.28 | length 86.1
  Top Layer w6.68: R7.1@864.49,885.51 878.41,885.51 U3.28@929.45,834.47
USB_2_N: "SIM7600 DEBUG.A7" "SIM7600 DEBUG.B7" D4.1 U6.12 | length 1077.1
  Top Layer w5.57: 247.01,2034.53 214.1,2034.53 209.26,2029.69 209.26,2001.76 215.86,1995.16 247.01,1995.16 284.84,1995.16 v1(285,1995)
  Bottom Layer w5.57: v1(285,1995) 308.46,1995 D4.1@310,1996.54 317.7,1996.54 317.7,1997.7 320,2000 420.06,2000 545.62,1874.43 937.33,1874.43 1054.96,1756.81 1054.96,1746.97 1071.89,1730.04 U6.12@1095.51,1730.04
USB_2_P: "SIM7600 DEBUG.A6" "SIM7600 DEBUG.B6" D5.1 U6.13 | length 1073.4
  Top Layer w5.57: 247.01,1975.47 300.47,1975.47 310.9,1985.9 310.9,2009.1 303.87,2016.13 v1(285,2016.13) 283.71,2014.84 247.01,2014.84
  Bottom Layer w5.57: v1(285,2016.13) 307.66,2016.13 D5.1@310,2018.46 312.78,2015.68 314.88,2015.68 320,2010.57 424.43,2010.57 550,1885 941.71,1885 1053.84,1772.86 1092.06,1772.86 U6.13@1095.51,1769.41
USB_N: "ESP32 DEBUG/ BOARD PWR.A7" "ESP32 DEBUG/ BOARD PWR.B7" D9.2 U15.5 | length 713
  Top Layer w5.57: 209.57,1494.68 215.06,1500.16 ; 209.57,1505.64 215.06,1500.16 ; 247.01,1500.16 215.06,1500.16 ; 247.01,1539.53 214.1,1539.53 209.26,1534.69 209.26,1505.64 209.26,1500.22 ; U15.5@524.76,1294.61 524.76,1313.14 529.32,1317.7 529.32,1464.07 523.96,1469.43 400.62,1469.43 389.72,1480.34 389.72,1505.51 383.02,1512.2 D9.2@354.65,1512.2 354.65,1494.41 350.71,1490.47 303.1,1490.47 277.65,1465.03 219.03,1465.03 209.26,1474.8 209.26,1494.68 209.26,1500.22 ; 209.26,1500.22 209.31,1500.16 215.06,1500.16
USB_P: "ESP32 DEBUG/ BOARD PWR.A6" "ESP32 DEBUG/ BOARD PWR.B6" D9.3 U15.4 | length 699.1
  Top Layer w5.57: 247.01,1480.47 278.16,1480.47 284.76,1487.08 284.76,1495.52 284.76,1501.04 ; 247.01,1519.84 279.92,1519.84 284.76,1515 284.76,1506.49 284.76,1501.04 ; 284.91,1495.52 290.4,1501 ; 284.91,1506.49 290.36,1501.04 ; U15.4@544.45,1294.61 544.45,1313.14 539.89,1317.7 539.89,1468.44 528.33,1480 405,1480 400.28,1484.72 400.28,1505.51 406.98,1512.2 D9.3@435.35,1512.2 435.35,1528.68 431.54,1532.5 325.29,1532.5 321.27,1528.48 321.27,1506.27 316.04,1501.04 290.36,1501.04 ; 284.76,1501.04 290.36,1501.04
USB_RST: R29.1 U15.9 | length 232.6
  Top Layer w6.68: R29.1@290,1237.44 290,1205.64 295.64,1200 419.12,1200 426.37,1207.25 426.37,1235.59 434.21,1243.43 U15.9@453.9,1243.43
USB_RXD: R7.2 U15.25 | length 385.4
  Top Layer w6.68: U15.25@635,1204.06 680.94,1204.06 825.51,1059.49 R7.2@825.51,924.49
USB_TXD: U3.27 U15.26 | length 536
  Top Layer w6.68: U15.26@635,1223.74 691.26,1223.74 845,1070 845,946.76 U3.27@943.37,848.39
USB_VDD: C46.2 C47.2 U15.6
VDD_1V8: 1.8V.1 C27.1 C28.2 C60.1 R17.2 R18.2 R21.2 U6.15 U10.4 U18.2 U18.10 | length 5149.1
  Top Layer w10: v1(934.61,1504.54) 937.37,1504.54 U10.4@952.42,1519.58 ; R18.2@1159.49,1714.49 R17.2@1224.49,1649.49 1245,1670 v1(1260,1670) 1.8V.1@1290,1670 ; R21.2@2355,1477.44 2355,1450 2360,1445 v1(2390,1445)
  Int2 (GND) w15.75: v1@1173.18,1085.21 1173.86,1084.52 1256.66,1001.73 v1(1256.66,870.95) ; v1(1785,1700) 2325,1700 2390,1635 v1(2390,1445)
  Int2 (GND) w23.62: v1@883.8,1381.2 v1@870.75,1394.25 ; v1@870.75,1394.25 1049.25,1394.25 1050,1395 ; v1@870.75,1394.25 v1(870,1395) 1050,1395 ; 1038.17,1380.75 1038.92,1380 ; 1038.17,1380.75 885.75,1380.75 v1(885,1380) 1038.92,1380 ; 1038.17,1380.75 1055.75,1380.75 ; 1038.92,1380 1055,1363.92 ; 1038.92,1380 1055,1380 ; 1050,1395 1065,1410 1065,1530 1150,1615 1190,1615 ; 1055,1215 1055,1363.92 ; 1055,1215 1055,1193.62 v1(1168.98,1079.64) ; 1055,1215 1075,1195 ; 1055,1363.92 1055,1380 ; 1055,1380 1055.75,1380.75 ; 1055.75,1380.75 1075,1400 ; 1075,1195 1075,1190 1168.98,1096.02 v1(1168.98,1079.64) ; 1075,1195 v1(1180,1090) 1179.35,1090 1173.86,1084.52 v1(1168.98,1079.64) ; 1075,1195 1075,1400 ; 1075,1400 1075,1515 1160.25,1600.25 1190.25,1600.25 1205,1615 ; 1190,1615 v1(1260,1685) v1(1260,1670) 1205,1615 ; 1190,1615 1205,1615
  Bottom Layer w9.45: U18.2@1152.22,1024.65 1164.64,1037.07 1176.37,1037.07 1188.78,1049.49 1194.65,1049.49 C60.1@1200.51,1049.49 ; U18.10@1235.74,891.03 v1@1255.82,870.95
  Bottom Layer w10: 1247.58,1670 1255.05,1677.47 1260,1677.47 1467.47,1677.47 1530,1740 1745,1740 v1(1785,1700) ; v1@1255.82,870.95 v1(1256.66,870.95)
  Bottom Layer w15.75: C28.2@877.16,1447.84 C28.2@877.78,1447.84 ; v1(934.61,1504.54) 915.1,1485.03 914.97,1485.03 C28.2@877.78,1447.84 ; C60.1@1194.65,1049.49 1194.65,1053.97 v1(1168.98,1079.64) ; C60.1@1200.51,1049.49 1200.51,1069.49 v1(1180,1090) ; C28.2@877.78,1447.84 870,1440.06 v1(870,1395) v1(885,1380) 885,1440.62 C28.2@877.78,1447.84 ; v1(1168.98,1079.64) 1179.35,1090 v1(1180,1090) ; v1(1168.98,1079.64) 1169.64,1079.64 v1(1180,1090)
  Bottom Layer w23.62: U6.15@1095.51,1848.15 1166.85,1848.15 1180.56,1834.44 1180.56,1737.02 1232.58,1685 ; 1232.58,1685 v1(1260,1685) 1260,1677.47 v1(1260,1670) 1247.58,1670 1232.58,1685
VDD_SPI: C9.1 C12.1 U3.18 U4.8 VDD_SPI.1 | length 238.6
  Top Layer w10: U3.18@1092.31,792.71 1114.6,815 U4.8@1151.07,815 ; U4.8@1162.87,826.8 U4.8@1151.07,815 ; C9.1@1225.51,745.51 VDD_SPI.1@1261.34,709.65 ; C9.1@1225.51,745.51 C12.1@1190.51,780.51 1156.03,815 U4.8@1151.07,815
VUSB: "ESP32 DEBUG/ BOARD PWR.A4_B9" "ESP32 DEBUG/ BOARD PWR.B4_A9" C44.2 C45.2 C48.2 C49.1 C52.2 C53.1 D9.4 R29.2 U15.7 U15.8 U16.1 U17.3 VUSB.1 | length 564.4
  Top Layer w6.68: 247.01,1604.49 252.52,1610 430,1610 435.35,1604.65 D9.4@435.35,1587.8 429.31,1581.75 v1(429.31,1562.69) ; v1(429.4,1263.03) 429.48,1263.11 U15.8@453.9,1263.11
  Top Layer w10: R29.2@290,1292.56 R29.2@292.05,1294.61
  Bottom Layer w6.68: v1(429.4,1263.03) v1@429.4,1562.69
  other v1: 609.37,774.08 594.37,789.08 624.37,789.08 579.37,804.08 609.37,804.08 594.37,819.08 260,1285 260,1305 111.23,1479.18 131.23,1479.18 151.23,1479.18 171.23,1479.18 111.33,1500.42 131.33,1500.42 151.33,1500.42 171.33,1500.42 111.43,1521.66 131.43,1521.66 151.43,1521.66 171.43,1521.66 1580,1660 1600,1660 1620,1660 1640,1660 1580,1680 1600,1680 1620,1680 1640,1680 1580,1700 1600,1700 1620,1700 1640,1700
VUSB_2: "SIM7600 DEBUG.A4_B9" "SIM7600 DEBUG.B4_A9" D6.1 U6.11 VUSB2.1 | length 1759.1
  Top Layer w6: 223.03,2094.37 241.89,2094.37 ; 225.03,2098.83 221.41,2098.83 215.57,2092.98 ; 227.45,1914.65 225.95,1913.16 219.42,1913.16 ; 247.01,1910.51 246.23,1911.29 ; 251.5,2095 247.01,2099.49 241.89,2094.37 ; 105.68,2090.68 215,2090.68 ; 105.68,2090.68 107.98,2092.98 215.57,2092.98 ; 105.68,2090.68 100,2085 100,1929 111,1918 ; 111,1918 111.98,1917.02 215.57,1917.02 ; 111,1918 214.58,1918 ; 214.58,1918 215.57,1917.02 ; 214.58,1918 239.52,1918 246.23,1911.29 ; 215,2090.68 238.2,2090.68 240.5,2092.98 ; 215,2090.68 217.31,2092.98 ; 215.57,1917.02 219.42,1913.16 ; 215.57,2092.98 217.31,2092.98 ; 217.31,2092.98 240.5,2092.98 ; 219.42,1913.16 221.29,1911.29 246.23,1911.29 ; 240.5,2092.98 241.89,2094.37
  Top Layer w10: 247.01,1910.51 v1(290,1910.51) 319.49,1910.51 VUSB2.1@320,1910
  Bottom Layer w10: v1@290.16,1910.35 D6.1@309.92,1910.35 ; D6.1@310,1910.08 D6.1@310.08,1910 ; D6.1@310,1911.62 D6.1@310,1910.59 310,1910.27 310.08,1910.19 319.81,1910.19 435,1795 500.79,1795 501.22,1795.43 944.57,1795.43 1049.33,1690.67 U6.11@1095.51,1690.67
XTAL_N: C10.2 U3.29 X1.3 | length 270.7
  Top Layer w5.57: v1(897.59,839.51) 915.53,821.57 U3.29@915.53,820.55
  Bottom Layer w5.57: C10.2@807.56,1045 805.67,1043.11 X1.3@805.67,996.58 830,972.24 830,920 897.59,852.41 v1(897.59,839.51)
XTAL_P: C11.2 R6.2 X1.1 | length 109.4
  Bottom Layer w5.57: C11.2@720,942.44 763.35,942.44 X1.1@764.33,943.43 764.33,930.67 R6.2@801.03,893.97
XTAL_P_IN: R6.1 U3.30 | length 81.6
  Top Layer w6.68: v1(882.02,825.35) 882.89,825.35 U3.30@901.61,806.63
  Bottom Layer w6.68: R6.1@840,855 869.65,825.35 v1(882.02,825.35)
pads on no net: "ESP32 DEBUG/ BOARD PWR." "ESP32 DEBUG/ BOARD PWR.A8" "ESP32 DEBUG/ BOARD PWR.B8" "SIM7600 DEBUG." "SIM7600 DEBUG.A8" "SIM7600 DEBUG.B8" SIM. SIM.1 SIM.2 SIM.3 SIM.4 SIM.C6 SPK.3 SPK.4 U3.4 U3.5 U3.9 U3.10 U3.12 U3.13 U4.28 U5. U6.6 U6.7 U6.8 U6.9 U6.16 U6.21 U6.22 U6.23 U6.24 U6.25 U6.26 U6.27 U6.28 U6.29 U6.30 U6.31 U6.32 U6.33 U6.34 U6.35 U6.36 U6.42 U6.44 U6.45 U6.48 U6.50 U6.52 U6.53 U6.66 U6.67 U6.69 U6.70 U6.72 U6.83 U6.84 U6.86 U6.87 U10. U10.13 U15. U15.1 U15.2 U15.10 U15.11 U15.12 U15.13 U15.14 U15.15 U15.16 U15.17 U15.18 U15.19 U15.20 U15.21 U15.22 U15.23 U15.27 U17. U18.4 U18.5 U18.6 U18.7 U18.8 U18.9 U18.12 U18.13 U18.14 U18.15 U18.16 U18.17

## Polygon pours and split planes (outlines as drawn)
GND on Int2 (GND) "GND_L03_P004" (solid, remove dead copper, pour order 4): 0,0 2760,0 2760,2430 0,2430
GND on Int1 (GND) "GND_L02_P003" (solid, remove dead copper, pour order 3): 0,0 2760,0 2760,2430 0,2430
GND on Bottom Layer "GND_L04_P005" (solid, remove dead copper, pour order 5): 0,0 2760,0 2760,2430 0,2430
GND on Top Layer "GND_L01_P006" (solid, remove dead copper, pour order 6): 0,0 2760,0 2760,2430 0,2430

## Other copper
Top Layer:
  rectangle net GND: 478.03,212.23 521.04,240
  region net USB_VDD: 510.37,1277.98 499.82,1277.98 498.82,1278.98 498.82,1312.28 488.81,1322.29 472.18,1322.29 468.93,1325.55 468.93,1423.93 480,1435 506.56,1435 511.42,1430.14 511.42,1279.03
  region net +3.8V: 978.02,1718.85 972.54,1724.33 918.37,1724.33 915,1720.96 915,1691.42 919.51,1686.91 973.64,1686.91 978.02,1691.29
  region net VUSB: 1710,1530 1705,1525 1570,1525 1565,1530 1565,1705 1570,1710 1655,1710 1660,1705 1660,1635 1665,1630 1705,1630 1710,1625
  region net +3.8V: 2065,2385 2075,2395 2140,2395 2150,2385 2150,1735 2160,1725 2215,1725 2225,1715 2225,1090 2210,1075 2030,1075 2015,1090 2015,1210 2000,1225 1880,1225 1865,1240 1865,1410 1855,1420 1525,1420 1520,1425 1520,1460 1524.87,1464.87 1869.87,1464.87 1880,1475 1880,1650 1890,1660 2055,1660 2065,1670 2065,1800
  region net VUSB: 490.89,1315 493.97,1311.92 493.97,1277.47 491.5,1275 375,1275 256.85,1275 251.4,1280.45 251.4,1309.3 257.11,1315 390,1315
  region net VUSB: 243.3,1616.3 224.57,1616.3 215.41,1607.14 120.41,1607.14 103.3,1590.02 103.3,1422.55 112.77,1413.08 215.23,1413.08 224.57,1403.75 272.93,1403.75 272.93,1429.71 193.61,1429.71 179.36,1443.96 179.36,1581.09 190.98,1592.7 238.5,1592.7 243.3,1597.5
  region net +3V3: 900.41,789.59 900.41,782.9 882.51,765 875,765 856.02,783.98 745.34,783.98 739.43,789.9 739.43,816.42 743.9,820.9 869.1,820.9
  region net ESP32_VDD3P3: 891.06,740 900,740 915,725 915,717.91 832.09,635 817.09,620 817.09,602.09 815,600 735,600 730,605 730,640 735,645 810,645 821.91,656.91 821.91,670.85
  region net +3V3: 532.24,664.49 536.73,668.99 606.01,668.99 615,660 615,650 620,645 705,645 710,640 710,610 705,605 700,605 568.77,605 563.31,610.45 563.31,621.69 555.26,629.74 537.57,629.74 532.24,635.07
  region net VUSB_2: 135,2090 130,2085 130,1925 135,1920 132.51,1917.51 111.49,1917.51 100,1929 100,2085 110,2095 135,2095
Int2 (GND):
  region net VUSB: 181.6,1528.01 174.75,1534.86 102.1,1534.86 97.84,1530.61 97.84,1476.44 106.85,1467.43 174.11,1467.43 181.6,1474.92
  region net +3V3: 900.09,725 900.09,799.73 776.81,800.02 741.84,834.99 690,886.83 690,1275 840,1425 840,1445 830,1455 815,1455 651.92,1291.92 651.92,878.08 775,755 870,755
  region net +3V3: 1155.66,729.64 1162.9,729.64 1171.25,721.3 1171.25,716.25 1105,650 1105,610 1100,605 1090,605 1085,610 1085,648.31 1079.66,653.65 925,653.65 925,675 1101.02,675
  region net +3V3: 810,585 805,590 805,635 850,680 930,680 945,665 865,585
  region net +3V3: 827.5,702.5 770,760 845,760 860,745 860,735
  region net +3V3: 987.1,922.9 973.01,936.99 973.01,943.84 979.17,950 995,950 1030,915 1030,885 905,760 905,627.21 815,627.21 815,715 1005,905 1005,915 997.1,922.9
  region net VUSB: 1565,1650 1570,1645 1645,1645 1650,1650 1650,1920 1607.98,1962.02 1282.98,1962.02 1270,1975 1270,2375 1245,2400 315,2400 290,2375 290,2115 277.44,2102.44 117.44,2102.44 101.1,2086.1 101.1,1532.61 175,1532.61 175,2020 195,2040 405,2040 425,2060 425,2330 440,2345 1135,2345 1205,2275 1205,1905 1215,1895 1540,1895 1565,1870
  region net VUSB: 515,840 450,840 101.89,1188.11 101.89,1253.11
  region net +3.8V: 1870,825 1860,835 1860,970 1870,980 2010,980 2020,990 2020,1195 2035,1210 2095,1210 2110,1195 2110,1040 2110,835 2100,825
  region net VUSB: 265,1315 270,1310 270,1280 265,1275 140,1275 101.89,1313.11 101.89,1560 175,1560 175,1325 185,1315
  region net VUSB: 185,1284.06 194.06,1275 190,1275 175,1260
  region net VUSB: 635,805 635,785 615,765 590,765 101.89,1253.11 101.89,1313.11 185,1313.11 185,1255
  region net +3V3: 890,720 846.03,676.03 933.97,676.03
  region net +3V3: 875,760 830,760 875,715
  region net +3V3: 532.21,664.03 536.19,668 622,668 655,635 805,635 810,640 810,585 635,585 590,630 535,630 532.21,632.79
  region net +3V3: 878.64,782.73 895,782.73 895,770 885,760 865,760
Bottom Layer:
  region net +3V3: 875,740 890,740 930,700 930,665 880,615 880,585 975,490 975,465 790,280 760,280 590,450 590,475.36
  region net +3.8V: 1975,2225 1970,2230 1970,2395 1980,2405 2130,2405 2140,2395 2140,2330 2130,2320 2050,2320 2040,2310 2040,2230 2035,2225
  region net +3.8V: 1765,993.35 1765,915 1770,910 1855,910 1861.17,903.83 1861.17,828.83 1865,825 1945,825 1950,820 1950,750 1955,745 2013.34,745
  region net +3.8V: 2045,1110 2040,1115 1975,1115 1970,1110 1970,1045 1970,1015 1953.19,998.19 1769.84,998.19 1765,993.35 2013.34,745 2033.78,745 2045,756.22 2045,915
  region net VUSB: 620,645 610,645 590,665 590,675 600,685 600,690 530,760 530,775 583.11,828.11 596.89,828.11 725,700 725,690 695,660 680.18,660 665.18,675 650,675
Multi-Layer:
  pour cut-out: 1235.53,0 1235.53,184.47 ccw(c1208,184.47) 1208,212 277.06,212 ccw(c276.92,186.36) 251.28,186.36 251.28,0

## Silkscreen, mask and mechanical layers (free items; w line width, h text height)
Top Overlay:
  drawing of 2 lines, arcs and shapes, not listed
  text "GSM / MAIN" at 2535.4,2030.7 h100
  text "GSM / AUX" at 2556.28,809 h100
  text "JLCJLCJLCJLC" at 1519.17,376.32 h31.5
  text "Wifi" at 325,288 h28
Bottom Overlay:
  text "Designed By Hatim Saad" at 10.38,260 h50 r270
  text "STARKIT V1" at 1726.38,0 h100
Board Shape:
  the board outline again, w1